# KiCad board badge.kicad_pcb (continued)
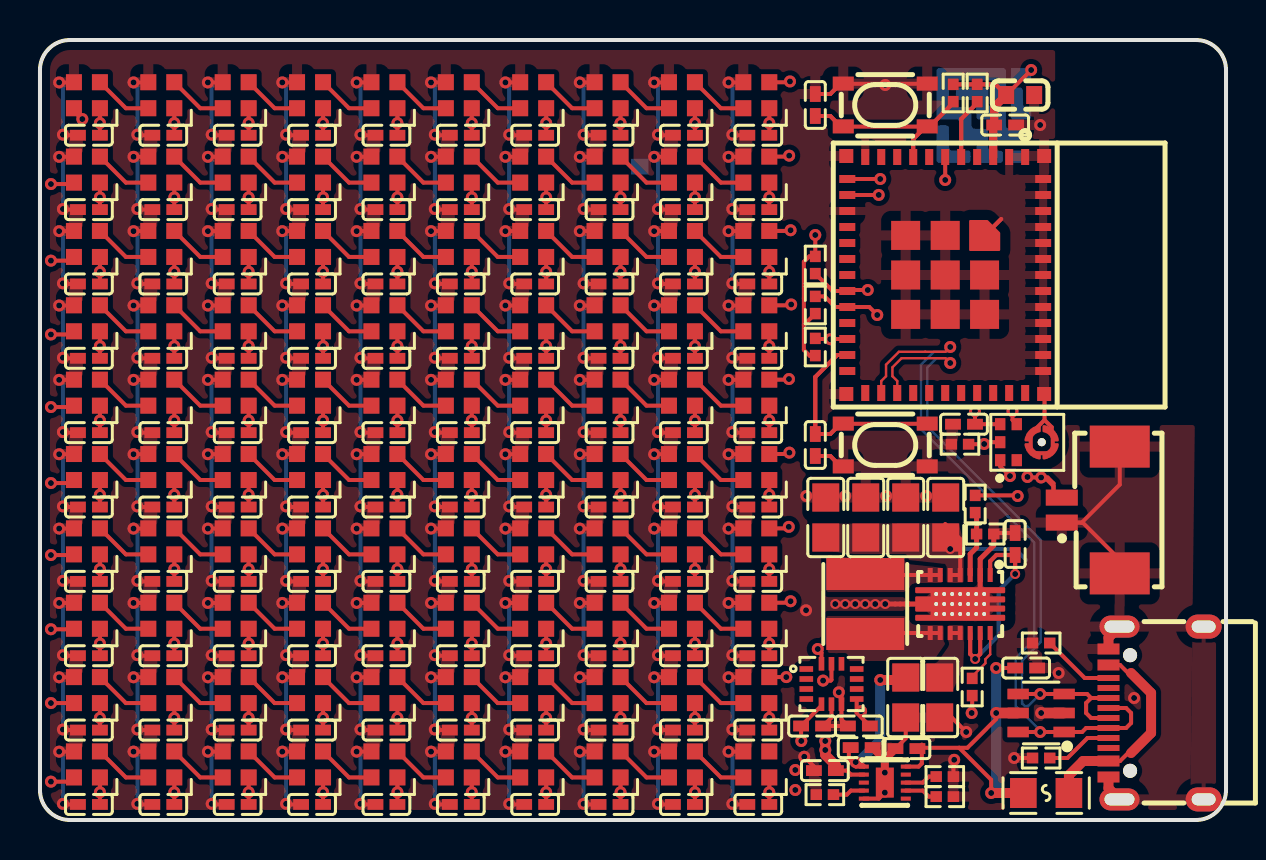
[diagram p0: board, top side]
## Library data of the parts (continued)
SW1 = -: checksum: f91c8e330c7635fcafad75a88e5cc1670f77641273de7d560f53df80be755608; __atopile_lib_fp_hash__: 4f3bed9f-86d6-d999-7cc9-13b6b9c0b95c; LCSC: C139797; Manufacturer: ALPSALPINE; Partnumber: SKRPACE010; atopile_address: microcontroller.boot_switch.package; atopile_subaddresses: [.ato/modules/atopile/espressif-esp32-c3/layouts/esp32_c3_mini_1_driver/esp32_c3_mini_1_driver.kicad_pcb:boot_switch.package]
SW2 = -: checksum: f91c8e330c7635fcafad75a88e5cc1670f77641273de7d560f53df80be755608; __atopile_lib_fp_hash__: 4f3bed9f-86d6-d999-7cc9-13b6b9c0b95c; LCSC: C139797; Manufacturer: ALPSALPINE; Partnumber: SKRPACE010; atopile_address: microcontroller.reset_switch.package; atopile_subaddresses: [.ato/modules/atopile/espressif-esp32-c3/layouts/esp32_c3_mini_1_driver/esp32_c3_mini_1_driver.kicad_pcb:reset_switch.package]
U1 = -: checksum: 9761efe4e06b2668313870b19812f1efc91c26581fe0ba616cf6fdbf0da50003; __atopile_lib_fp_hash__: e6524341-a6a8-10bb-8c80-e61b4c917c5e; LCSC: C967633; Manufacturer: STMicroelectronics; Partnumber: LSM6DS3TR-C; atopile_address: imu.package; atopile_subaddresses: [.ato/modules/atopile/st-lsm6ds3/layouts/default/default.kicad_pcb:package]
U2 = -: Datasheet: https://lcsc.com/datasheet/lcsc_datasheet_2410010330_TI-TPS63020DSJR_C15483.pdf; checksum: 5721d4b5eedbba8b038d960e7ac218e894ce7a20656477d794aee89a78508b49; __atopile_lib_fp_hash__: 7298c08b-0576-5c66-bc65-f356604b5aa5; LCSC: C15483; Manufacturer: Texas Instruments; Partnumber: TPS63020DSJR; atopile_address: buck_boost.package; atopile_subaddresses: [.ato/modules/atopile/ti-tps63020/layouts/default/default.kicad_pcb:package]
U3 = -: checksum: 6e18d4759e70e0652472ffa30dd3a8f71360b9e80cc1aeb83f558e51824a2573; __atopile_lib_fp_hash__: 757c1910-7b5b-773a-1112-4dd27599d2b4; LCSC: C5656610; Manufacturer: TDK InvenSense; Partnumber: ICS-43434; atopile_address: microphone.package; atopile_subaddresses: [.ato/modules/atopile/microphones/layouts/tdk_invensense_ics_43434/tdk_invensense_ics_43434.kicad_pcb:package]
U4 = -: checksum: 4ad8f665c87c48952eb40c1f3553b7c5f0e07c4bf4b859e8729bb151fdabe18d; __atopile_lib_fp_hash__: 648a194f-9866-ab41-b7e8-585c74c26a7d; LCSC: C2838502; Manufacturer: Espressif Systems; Partnumber: ESP32-C3-MINI-1-N4; atopile_address: microcontroller.esp32_c3.package; atopile_subaddresses: [.ato/modules/atopile/espressif-esp32-c3/layouts/esp32_c3_mini_1_driver/esp32_c3_mini_1_driver.kicad_pcb:esp32_c3.package]
U5 = -: checksum: 3bebada01d603daa7993676051afcdc3da5e16ef3e23e506788923436ae642df; __atopile_lib_fp_hash__: 8427001d-b0a4-3a66-e235-a2c6768404e7; LCSC: C19725033; Manufacturer: BQ25185DLHR; Partnumber: BQ25185DLHR; atopile_address: charger.package; atopile_subaddresses: [.ato/modules/atopile/ti-bq25185/layouts/bq25185_driver/bq25185_driver.kicad_pcb:package]
U6 = -: checksum: fe22dee7e12c99f6b2ca5c1bf1a58f1e263a76def5909a036d2d02f103692168; __atopile_lib_fp_hash__: dd17c387-1d6b-9238-1823-5214160d6911; LCSC: C177225; Manufacturer: MOLEX; Partnumber: 532610271; atopile_address: battery.battery.connector; atopile_subaddresses: [.ato/modules/atopile/batteries/layouts/eemb_battery_lp402535_driver/eemb_battery_lp402535_driver.kicad_pcb:connector, .ato/modules/atopile/batteries/layouts/eemb_battery_lp402535_example/eemb_battery_lp402535_example.kicad_pcb:battery.connector]
USB1 = -: checksum: 5d694f4e32c28a41cc00aa96665fa301eded3dc79a48496bdc0d60aad5eed915; __atopile_lib_fp_hash__: 1df3316a-2404-9093-1771-c2e32be2ca71; LCSC: C2765186; Manufacturer: SHOU HAN; Partnumber: TYPE-C 16PIN 2MD(073); atopile_address: usb_c.connector.package; atopile_subaddresses: [.ato/modules/atopile/usb-connectors/layouts/default/default.kicad_pcb:connector.package]

## Footprints (pads in the part's own frame, mm; a bottom-side part is the same pattern mirrored in y, then rotated)
C0402
  rect 0.79x0.54 smd: 1(-0.55,0) 2(0.55,0)
C0603
  rect 0.8x0.9 smd: 1(-0.7,0) 2(0.7,0)
C0805
  rect 1.41x1.35 smd: 1(-1,0) 2(1,0)
CONN-SMD_532610271
  rect 0.8x1.6 smd: 1(0.63,-1.45) 2(-0.62,-1.45)
  rect 2.1x3 smd: 3(3.17,1.45) 4(-3.17,1.45)
F0805
  rect 1.33x1.5 smd: 1(-1.14,0) 2(1.14,0)
IND-SMD_L4.0-W4.0_FNR40XXS
  rect 1.6x3.9 smd: 1(-1.5,0) 2(1.5,0)
KEY-SMD_4P-L4.2-W3.2-P2.20-LS4.6
  rect 1.05x0.7 smd: 1(-2.1,1.07) 2(2.1,1.07) 3(-2.1,-1.07) 4(2.1,-1.07)
LED-SMD_4P-L2.0-W2.0-BR
  rect 0.8x0.8 smd: 1(0.65,-0.65) 2(0.65,0.65) 3(-0.65,0.65) 4(-0.65,-0.65)
LGA-14_L3.0-W2.5-P0.50-TL
  rect 0.68x0.28 smd: 1(-1.26,0.75) 2(-1.26,0.25) 3(-1.26,-0.25) 4(-1.26,-0.75) 8(1.26,-0.75) 9(1.26,-0.25) 10(1.26,0.25) 11(1.26,0.75)
  rect 0.28x0.68 smd: 5(-0.5,-1.01) 6(0,-1.01) 7(0.5,-1.01) 12(0.5,1.01) 13(0,1.01) 14(-0.5,1.01)
MIC-SMD_6P-L3.5-W2.7-P0.90-BL
  round 0.4 hole 0.4: (0.79,0)
  rect 0.52x0.6 smd: 1(-1.29,-0.9) 2(-0.46,-0.9) 4(-0.46,0.9) 5(-1.29,0.9) 6(-1.29,0)
  custom 0.81x0.81 smd: 3(0.28,-0.45) 3(0.33,0.51) 3(1.23,-0.51) 3(1.29,0.45)
R0402
  rect 0.57x0.54 smd: 1(-0.43,0) 2(0.43,0)
SOT-23-6_L2.9-W1.6-P0.95-LS2.8-BL
  rect 0.53x1.07 smd: 1(-0.95,-1.15) 2(0,-1.15) 3(0.95,-1.15) 4(0.95,1.15) 5(0,1.15) 6(-0.95,1.15)
USB-C-SMD_TYPE-C-6PIN-2MD-073
  round 0.7 hole 0.7 unplated: (-2.89,1.3) (2.89,1.3)
  rect 0.55x1.1 smd: 1(-3.2,2.38) 2(-2.4,2.38) 11(2.4,2.38) 12(3.2,2.38)
  rect 0.3x1.1 smd: 3(-1.75,2.38) 4(-1.25,2.38) 5(-0.75,2.38) 6(-0.25,2.38) 7(0.25,2.38) 8(0.75,2.38) 9(1.25,2.38) 10(1.75,2.38)
  oval 1.1x2 hole 0.6x1.5: 13(-4.32,1.83) 14(4.32,1.83)
  oval 1.2x1.8 hole 0.6x1.2: 15(4.32,-2.38) 16(-4.32,-2.38)
VSON-14_L4.0-W3.0-P0.50-BL-EP_TI_DSJ
  rect 0.25x0.7 smd: 1(-1.5,-1.45) 2(-1,-1.45) 3(-0.5,-1.45) 4(0,-1.45) 5(0.5,-1.45) 6(1,-1.45) 7(1.5,-1.45) 8(1.5,1.45) 9(1,1.45) 10(0.5,1.45) 11(0,1.45) 12(-0.5,1.45) 13(-1,1.45) 14(-1.5,1.45)
  round 0.5 hole 0.2: 15(-1.2,0.5) 15(-1.2,0) 15(-1.2,-0.5) 15(-0.8,0.5) 15(-0.8,0) 15(-0.8,-0.5) 15(-0.4,0.5) 15(-0.4,0) 15(-0.4,-0.5) 15(0,0.5) 15(0,0) 15(0,-0.5) 15(0.4,0.5) 15(0.4,0) 15(0.4,-0.5) 15(0.8,0.5) 15(0.8,0) 15(0.8,-0.5) 15(1.2,0.5) 15(1.2,0) 15(1.2,-0.5)
  custom 4.5x1.68 smd: 15(0,0)
WIFIM-SMD_ESP32-C3-MINI-1
  rect 0.8x0.4 smd: 1(-5.9,4) 2(-5.9,3.2) 3(-5.9,2.4) 4(-5.9,1.6) 5(-5.9,0.8) 6(-5.9,0) 7(-5.9,-0.8) 8(-5.9,-1.6) 9(-5.9,-2.4) 10(-5.9,-3.2) 11(-5.9,-4) 25(5.9,-4) 26(5.9,-3.2) 27(5.9,-2.4) 28(5.9,-1.6) 29(5.9,-0.8) 30(5.9,0) 31(5.9,0.8) 32(5.9,1.6) 33(5.9,2.4) 34(5.9,3.2) 35(5.9,4)
  rect 0.4x0.8 smd: 12(-4.8,-4.9) 13(-4,-4.9) 14(-3.2,-4.9) 15(-2.4,-4.9) 16(-1.6,-4.9) 17(-0.8,-4.9) 18(0,-4.9) 19(0.8,-4.9) 20(1.6,-4.9) 21(2.4,-4.9) 22(3.2,-4.9) 23(4,-4.9) 24(4.8,-4.9) 36(4.8,4.9) 37(4,4.9) 38(3.2,4.9) 39(2.4,4.9) 40(1.6,4.9) 41(0.8,4.9) 42(0,4.9) 43(-0.8,4.9) 44(-1.6,4.9) 45(-2.4,4.9) 46(-3.2,4.9) 47(-4,4.9) 48(-4.8,4.9)
  custom 1.55x1.55 smd: 49(-1.98,1.98)
  rect 1.45x1.45 smd: 49(-1.98,0) 49(-1.98,-1.98) 49(0,1.97) 49(0,0) 49(0,-1.98) 49(1.97,1.97) 49(1.97,0) 49(1.97,-1.98)
  rect 0.7x0.7 smd: 50(5.95,4.95) 51(5.95,-4.95) 52(-5.95,-4.95) 53(-5.95,4.95)
WSON-10_L2.2-W2.0-P0.40-BL-EP_TI_DLH0010A
  rect 0.2x0.5 smd: 1(-0.8,-1.05) 2(-0.4,-1.05) 3(0,-1.05) 4(0.4,-1.05) 5(0.8,-1.05) 6(0.8,1.05) 7(0.4,1.05) 8(0,1.05) 9(-0.4,1.05) 10(-0.8,1.05)
  rect 1.5x0.9 smd: 11(0,0)

## Nets
gnd: C1.2 C2.2 C3.2 C4.2 C5.2 C6.2 C7.2 C8.2 C9.2 C10.2 C11.2 C12.2 C13.2 C14.2 C15.2 C16.2 C17.2 C18.2 C19.2 C20.2 C21.2 C22.2 C23.2 C24.2 C25.2 C26.2 C27.2 C28.2 C29.2 C30.2 C31.2 C32.2 C33.2 C34.2 C35.2 C36.2 C37.2 C38.2 C39.2 C40.2 C41.2 C42.2 C43.2 C44.2 C45.2 C46.2 C47.2 C48.2 C49.2 C50.2 C51.2 C52.2 C53.2 C54.2 C55.2 C56.2 C57.2 C58.2 C59.2 C60.2 C61.2 C62.2 C63.2 C64.2 C65.2 C66.2 C67.2 C68.2 C69.2 C70.2 C71.2 C72.2 C73.2 C74.2 C75.2 C76.2 C77.2 C78.2 C79.2 C80.2 C81.2 C82.2 C83.2 C84.2 C85.2 C86.2 C87.2 C88.2 C89.2 C90.2 C91.2 C92.2 C93.2 C94.2 C95.2 C96.2 C97.2 C98.2 C99.2 C100.2 C101.2 C102.2 C103.2 C104.2 C105.2 C106.1 C107.1 C108.2 C109.2 C110.2 C111.2 C112.2 C113.2 C114.2 C115.2 C116.2 C117.2 C118.2 D1.2 LED1.3 LED2.3 LED3.3 LED4.3 LED5.3 LED6.3 LED7.3 LED8.3 LED9.3 LED10.3 LED11.3 LED12.3 LED13.3 LED14.3 LED15.3 LED16.3 LED17.3 LED18.3 LED19.3 LED20.3 LED21.3 LED22.3 LED23.3 LED24.3 LED25.3 LED26.3 LED27.3 LED28.3 LED29.3 LED30.3 LED31.3 LED32.3 LED33.3 LED34.3 LED35.3 LED36.3 LED37.3 LED38.3 LED39.3 LED40.3 LED41.3 LED42.3 LED43.3 LED44.3 LED45.3 LED46.3 LED47.3 LED48.3 LED49.3 LED50.3 LED51.3 LED52.3 LED53.3 LED54.3 LED55.3 LED56.3 LED57.3 LED58.3 LED59.3 LED60.3 LED61.3 LED62.3 LED63.3 LED64.3 LED65.3 LED66.3 LED67.3 LED68.3 LED69.3 LED70.3 LED71.3 LED72.3 LED73.3 LED74.3 LED75.3 LED76.3 LED77.3 LED78.3 LED79.3 LED80.3 LED81.3 LED82.3 LED83.3 LED84.3 LED85.3 LED86.3 LED87.3 LED88.3 LED89.3 LED90.3 LED91.3 LED92.3 LED93.3 LED94.3 LED95.3 LED96.3 LED97.3 LED98.3 LED99.3 LED100.3 R1.2 R4.2 R5.2 R6.2 R9.2 R11.2 R12.2 SW1.1 SW1.2 SW2.1 SW2.2 U1.6 U1.7 U2.2 U2.15 U3.3 U4.1 U4.2 U4.11 U4.14 U4.36 U4.37 U4.38 U4.39 U4.40 U4.41 U4.42 U4.43 U4.44 U4.45 U4.46 U4.47 U4.48 U4.49 U4.50 U4.51 U4.52 U4.53 U5.5 U5.11 U6.1 U6.3 U6.4 USB1.1 USB1.12 USB1.13 USB1.14 USB1.15 USB1.16
_power_in_a-VCC: C117.1 U2.1 U2.12 U2.13
address_bit_0: U1.1
cc[0]-line: R6.1 USB1.4
cc[1]-line: R9.1 USB1.10
CS: U1.12
data_0: U4.21
data_1: R7.1 U4.5
data_3: U4.18
data_out-line: LED100.2
esp32_c3-net-0: U4.24
esp32_c3-net-1: U4.25
esp32_c3-net-2: U4.10
esp32_c3-net-3: U4.28
esp32_c3-net-4: U4.29
esp32_c3-net-5: U4.32
esp32_c3-net-6: U4.33
esp32_c3-net-7: U4.34
esp32_c3-net-8: U4.35
esp32_c3-net-9: U4.4
esp32_c3-net-10: U4.7
esp32_c3-net-11: U4.9
esp32_c3-net-12: U4.15
esp32_c3-net-13: U4.17
footprint-net-0: U1.10
footprint-net-1: U1.11
footprint-net-2: U3.
i2c_scl: R14.1 U1.13 U4.20
i2c_sda: R13.1 U1.14 U4.19
i2s_sck: U3.4 U4.12
i2s_sd: R5.1 U3.6 U4.13
i2s_ws: U3.1 U4.6
ILIM_VSET: R12.1 U5.7
INT1: U1.4
INT2: U1.9
ISET: R4.1 U5.8
L1: L1.1 U2.8 U2.9
L2: L1.2 U2.6 U2.7
led_data: LED1.4 R8.1 U4.22
leds[1]-data_in-DIN-0: LED1.2 LED2.4
leds[1]-data_in-DIN-1: LED11.2 LED12.4
leds[1]-data_in-DIN-2: LED21.2 LED22.4
leds[1]-data_in-DIN-3: LED31.2 LED32.4
leds[1]-data_in-DIN-4: LED41.2 LED42.4
leds[1]-data_in-DIN-5: LED51.2 LED52.4
leds[1]-data_in-DIN-6: LED61.2 LED62.4
leds[1]-data_in-DIN-7: LED71.2 LED72.4
leds[1]-data_in-DIN-8: LED81.2 LED82.4
leds[1]-data_in-DIN-9: LED91.2 LED92.4
leds[2]-data_in-DIN-0: LED2.2 LED3.4
leds[2]-data_in-DIN-1: LED12.2 LED13.4
leds[2]-data_in-DIN-2: LED22.2 LED23.4
leds[2]-data_in-DIN-3: LED32.2 LED33.4
leds[2]-data_in-DIN-4: LED42.2 LED43.4
leds[2]-data_in-DIN-5: LED52.2 LED53.4
leds[2]-data_in-DIN-6: LED62.2 LED63.4
leds[2]-data_in-DIN-7: LED72.2 LED73.4
leds[2]-data_in-DIN-8: LED82.2 LED83.4
leds[2]-data_in-DIN-9: LED92.2 LED93.4
leds[3]-data_in-DIN-0: LED3.2 LED4.4
leds[3]-data_in-DIN-1: LED13.2 LED14.4
leds[3]-data_in-DIN-2: LED23.2 LED24.4
leds[3]-data_in-DIN-3: LED33.2 LED34.4
leds[3]-data_in-DIN-4: LED43.2 LED44.4
leds[3]-data_in-DIN-5: LED53.2 LED54.4
leds[3]-data_in-DIN-6: LED63.2 LED64.4
leds[3]-data_in-DIN-7: LED73.2 LED74.4
leds[3]-data_in-DIN-8: LED83.2 LED84.4
leds[3]-data_in-DIN-9: LED93.2 LED94.4
leds[4]-data_in-DIN-0: LED4.2 LED5.4
leds[4]-data_in-DIN-1: LED14.2 LED15.4
leds[4]-data_in-DIN-2: LED24.2 LED25.4
leds[4]-data_in-DIN-3: LED34.2 LED35.4
leds[4]-data_in-DIN-4: LED44.2 LED45.4
leds[4]-data_in-DIN-5: LED54.2 LED55.4
leds[4]-data_in-DIN-6: LED64.2 LED65.4
leds[4]-data_in-DIN-7: LED74.2 LED75.4
leds[4]-data_in-DIN-8: LED84.2 LED85.4
leds[4]-data_in-DIN-9: LED94.2 LED95.4
leds[5]-data_in-DIN-0: LED5.2 LED6.4
leds[5]-data_in-DIN-1: LED15.2 LED16.4
leds[5]-data_in-DIN-2: LED25.2 LED26.4
leds[5]-data_in-DIN-3: LED35.2 LED36.4
leds[5]-data_in-DIN-4: LED45.2 LED46.4
leds[5]-data_in-DIN-5: LED55.2 LED56.4
leds[5]-data_in-DIN-6: LED65.2 LED66.4
leds[5]-data_in-DIN-7: LED75.2 LED76.4
leds[5]-data_in-DIN-8: LED85.2 LED86.4
leds[5]-data_in-DIN-9: LED95.2 LED96.4
leds[6]-data_in-DIN-0: LED6.2 LED7.4
leds[6]-data_in-DIN-1: LED16.2 LED17.4
leds[6]-data_in-DIN-2: LED26.2 LED27.4
leds[6]-data_in-DIN-3: LED36.2 LED37.4
leds[6]-data_in-DIN-4: LED46.2 LED47.4
leds[6]-data_in-DIN-5: LED56.2 LED57.4
leds[6]-data_in-DIN-6: LED66.2 LED67.4
leds[6]-data_in-DIN-7: LED76.2 LED77.4
leds[6]-data_in-DIN-8: LED86.2 LED87.4
leds[6]-data_in-DIN-9: LED96.2 LED97.4
leds[7]-data_in-DIN-0: LED7.2 LED8.4
leds[7]-data_in-DIN-1: LED17.2 LED18.4
leds[7]-data_in-DIN-2: LED27.2 LED28.4
leds[7]-data_in-DIN-3: LED37.2 LED38.4
leds[7]-data_in-DIN-4: LED47.2 LED48.4
leds[7]-data_in-DIN-5: LED57.2 LED58.4
leds[7]-data_in-DIN-6: LED67.2 LED68.4
leds[7]-data_in-DIN-7: LED77.2 LED78.4
leds[7]-data_in-DIN-8: LED87.2 LED88.4
leds[7]-data_in-DIN-9: LED97.2 LED98.4
leds[8]-data_in-DIN-0: LED8.2 LED9.4
leds[8]-data_in-DIN-1: LED18.2 LED19.4
leds[8]-data_in-DIN-2: LED28.2 LED29.4
leds[8]-data_in-DIN-3: LED38.2 LED39.4
leds[8]-data_in-DIN-4: LED48.2 LED49.4
leds[8]-data_in-DIN-5: LED58.2 LED59.4
leds[8]-data_in-DIN-6: LED68.2 LED69.4
leds[8]-data_in-DIN-7: LED78.2 LED79.4
leds[8]-data_in-DIN-8: LED88.2 LED89.4
leds[8]-data_in-DIN-9: LED98.2 LED99.4
leds[9]-data_in-DIN-0: LED9.2 LED10.4
leds[9]-data_in-DIN-1: LED19.2 LED20.4
leds[9]-data_in-DIN-2: LED29.2 LED30.4
leds[9]-data_in-DIN-3: LED39.2 LED40.4
leds[9]-data_in-DIN-4: LED49.2 LED50.4
leds[9]-data_in-DIN-5: LED59.2 LED60.4
leds[9]-data_in-DIN-6: LED69.2 LED70.4
leds[9]-data_in-DIN-7: LED79.2 LED80.4
leds[9]-data_in-DIN-8: LED89.2 LED90.4
leds[9]-data_in-DIN-9: LED99.2 LED100.4
LR: U3.2
N_TRST: C107.2 R15.2 SW2.3 SW2.4 U4.8
nCE: R11.1 U5.4
output: C106.2 SW1.3 SW1.4 U4.23
PG: R3.1 U2.14
power_3v3: C1.1 C2.1 C5.1 C6.1 C7.1 C8.1 C9.1 C10.1 C11.1 C12.1 C13.1 C14.1 C15.1 C16.1 C17.1 C18.1 C19.1 C20.1 C21.1 C22.1 C23.1 C24.1 C25.1 C26.1 C27.1 C28.1 C29.1 C30.1 C31.1 C32.1 C33.1 C34.1 C35.1 C36.1 C37.1 C38.1 C39.1 C40.1 C41.1 C42.1 C43.1 C44.1 C45.1 C46.1 C47.1 C48.1 C49.1 C50.1 C51.1 C52.1 C53.1 C54.1 C55.1 C56.1 C57.1 C58.1 C59.1 C60.1 C61.1 C62.1 C63.1 C64.1 C65.1 C66.1 C67.1 C68.1 C69.1 C70.1 C71.1 C72.1 C73.1 C74.1 C75.1 C76.1 C77.1 C78.1 C79.1 C80.1 C81.1 C82.1 C83.1 C84.1 C85.1 C86.1 C87.1 C88.1 C89.1 C90.1 C91.1 C92.1 C93.1 C94.1 C95.1 C96.1 C97.1 C98.1 C99.1 C100.1 C101.1 C102.1 C103.1 C104.1 C105.1 C108.1 C109.1 C110.1 C111.1 C112.1 C116.1 LED1.1 LED2.1 LED3.1 LED4.1 LED5.1 LED6.1 LED7.1 LED8.1 LED9.1 LED10.1 LED11.1 LED12.1 LED13.1 LED14.1 LED15.1 LED16.1 LED17.1 LED18.1 LED19.1 LED20.1 LED21.1 LED22.1 LED23.1 LED24.1 LED25.1 LED26.1 LED27.1 LED28.1 LED29.1 LED30.1 LED31.1 LED32.1 LED33.1 LED34.1 LED35.1 LED36.1 LED37.1 LED38.1 LED39.1 LED40.1 LED41.1 LED42.1 LED43.1 LED44.1 LED45.1 LED46.1 LED47.1 LED48.1 LED49.1 LED50.1 LED51.1 LED52.1 LED53.1 LED54.1 LED55.1 LED56.1 LED57.1 LED58.1 LED59.1 LED60.1 LED61.1 LED62.1 LED63.1 LED64.1 LED65.1 LED66.1 LED67.1 LED68.1 LED69.1 LED70.1 LED71.1 LED72.1 LED73.1 LED74.1 LED75.1 LED76.1 LED77.1 LED78.1 LED79.1 LED80.1 LED81.1 LED82.1 LED83.1 LED84.1 LED85.1 LED86.1 LED87.1 LED88.1 LED89.1 LED90.1 LED91.1 LED92.1 LED93.1 LED94.1 LED95.1 LED96.1 LED97.1 LED98.1 LED99.1 LED100.1 R2.1 R3.2 R7.2 R8.2 R13.2 R14.2 R15.1 U1.5 U1.8 U2.4 U2.5 U3.5 U4.3
power_batt: C113.1 U5.2 U6.2
power_sys: C3.1 C4.1 C114.1 U2.10 U2.11 U5.1
power_vbus-VCC: F1.1 USB1.2 USB1.11
rows[1]-data_in-line: LED10.2 LED11.4
rows[2]-data_in-line: LED20.2 LED21.4
rows[3]-data_in-line: LED30.2 LED31.4
rows[4]-data_in-line: LED40.2 LED41.4
rows[5]-data_in-line: LED50.2 LED51.4
rows[6]-data_in-line: LED60.2 LED61.4
rows[7]-data_in-line: LED70.2 LED71.4
rows[8]-data_in-line: LED80.2 LED81.4
rows[9]-data_in-line: LED90.2 LED91.4
RX: U4.30
sbu[0]-line: USB1.9
sbu[1]-line: USB1.3
SCLK: U4.16
SCx: U1.3
SDx: U1.2
STAT1: U5.9
STAT2: U5.3
TS_MR: U5.6
TX: U4.31
usb_N: D1.1 D1.6 U4.26 USB1.5 USB1.7
usb_P: D1.3 D1.4 U4.27 USB1.6 USB1.8
usb_power: C115.1 C118.1 D1.5 F1.2 U5.10
VDIV_OUTPUT: R1.1 R2.2 U2.3

## Via types
v1: diameter 0.6, hole 0.3, Top to Bottom, 367 vias
v2: diameter 0.5, hole 0.3, Top to Bottom, 11 vias

## Routing (per net, layer and track width the routed paths; a pad name or vN(x,y) marks a point on that pad's centre or on a via; arc(x,y) is an arc through that point)
gnd: length 478.5
  Top w0.2: v1(19.75,0.81) 19.78,0.78 C100.2 ; v1(0.96,7.14) 1.69,7.14 LED81.3 ; C26.2 4.9,26.8 v1(4.87,26.83) ; LED38.3 27.74,25.72 v1(27.01,25.72) ; C68.2 12.34,11.93 v1(12.31,11.96) ; C86.2 4.9,4.5 v1(4.87,4.53) ; LED93.3 9.13,3.42 v1(8.4,3.42) ; C29.2 16.06,26.8 v1(16.03,26.83) ; v1(23.48,19.4) 23.51,19.37 C51.2 ; v1(12.31,8.24) 12.34,8.21 C78.2 ; C88.2 12.34,4.5 v1(12.31,4.53) ; v1(19.75,19.4) 19.78,19.37 C50.2 ; v1(8.59,19.4) 8.62,19.37 C47.2 ; v1(4.87,19.4) 4.9,19.37 C46.2 ; v1(34.64,4.53) 34.67,4.5 C94.2 ; LED21.3 1.69,29.44 v1(0.96,29.44) ; v1(1.15,4.53) 1.18,4.5 C85.2 ; LED75.3 16.57,10.85 v1(15.84,10.85) ; U6.3 54.02,13.02 52.17,14.87 U6.1 52.12,14.87 54.02,16.77 U6.4 ; LED66.3 20.29,14.57 v1(19.56,14.57) ; LED89.3 31.46,7.14 v1(30.73,7.14) ; C81.2 23.51,8.21 v1(23.48,8.24) ; v1(34.64,8.24) 34.67,8.21 C84.2 ; C55.2 1.18,15.65 v1(1.15,15.68) ; C22.2 27.23,30.52 v1(27.2,30.55) ; LED13.3 9.13,33.16 v1(8.4,33.16) ; v1(4.68,29.44) 5.41,29.44 LED22.3 ; LED50.3 35.18,22.01 v1(34.45,22.01) ; LED48.3 27.74,22.01 v1(27.01,22.01) ; C36.2 4.9,23.08 v1(4.87,23.11) ; C66.2 4.9,11.93 v1(4.87,11.96) ; C27.2 8.62,26.8 v1(8.59,26.83) ; C59.2 16.06,15.65 v1(16.03,15.68) ; C93.2 30.95,4.5 v1(30.92,4.53) ; C9.2 16.06,34.24 v1(16.03,34.27) ; v1(4.68,10.85) 5.41,10.85 LED72.3 ; v1(8.59,15.68) 8.62,15.65 C57.2 ; C53.2 30.95,19.37 v1(30.92,19.4) ; v1(8.59,30.55) 8.62,30.52 C17.2 ; v1(23.48,11.96) 23.51,11.93 C71.2 ; LED73.3 9.13,10.85 v1(8.4,10.85) ; LED43.3 9.13,22.01 v1(8.4,22.01) ; C113.2 38.72,2.68 v1(38.24,3.16) ; C96.2 4.9,0.78 v1(4.87,0.81) ; LED70.3 35.18,14.57 v1(34.45,14.57) ; v1(19.75,8.24) 19.78,8.21 C80.2 ; v1(19.75,34.27) 19.78,34.24 C10.2 ; v1(1.15,34.27) 1.18,34.24 C5.2 ; v1(1.15,23.11) 1.18,23.08 C35.2 ; v1(19.75,26.83) 19.78,26.8 C30.2 ; v1(34.64,15.68) 34.67,15.65 C64.2 ; 50.26,20 50.62,19.64 U3.3 50.67,19.29 50.67,18.49 U3.3 50.52,18.34 49.71,18.34 U3.3 49.57,18.48 49.57,19.31 U3.3 50.26,20 ; 50.26,20 50.26,21.29 ; C20.2 19.78,30.52 v1(19.75,30.55) ; LED23.3 9.13,29.44 v1(8.4,29.44) ; LED64.3 12.85,14.57 v1(12.12,14.57) ; LED97.3 24.02,3.42 v1(23.29,3.42) ; LED36.3 20.29,25.72 v1(19.56,25.72) ; C14.2 34.67,34.24 v1(34.64,34.27) ; C34.2 34.67,26.8 v1(34.64,26.83) ; LED77.3 24.02,10.85 v1(23.29,10.85) ; 39.54,18.2 C106.1 39.54,18.2 ; 39.54,18.2 40.06,17.68 ; 39.54,18.2 40.06,17.68 ; LED91.3 1.69,3.42 v1(0.96,3.42) ; LED54.3 12.85,18.29 v1(12.12,18.29) ; v1(19.56,22.01) 20.29,22.01 LED46.3 ; v1(34.45,18.29) 35.18,18.29 LED60.3 ; v1(4.68,14.57) 5.41,14.57 LED62.3 ; C83.2 30.95,8.21 v1(30.92,8.24) ; LED79.3 31.46,10.85 v1(30.73,10.85) ; LED11.3 1.69,33.16 v1(0.96,33.16) ; LED14.3 12.85,33.16 v1(12.12,33.16) ; LED39.3 31.46,25.72 v1(30.73,25.72) ; v1(27.01,3.42) 27.74,3.42 LED98.3 ; v1(27.2,4.53) 27.23,4.5 C92.2 ; v1(27.2,19.4) 27.23,19.37 C52.2 ; v1(12.31,34.27) 12.34,34.24 C8.2 ; C38.2 12.34,23.08 v1(12.31,23.11) ; LED100.3 35.18,3.42 v1(34.45,3.42) ; LED80.3 35.18,10.85 v1(34.45,10.85) ; v1(34.45,7.14) 35.18,7.14 LED90.3 ; v1(34.45,36.88) 35.18,36.88 LED10.3 ; v1(8.59,0.81) 8.62,0.78 C97.2 ; C37.2 8.62,23.08 v1(8.59,23.11) ; v1(34.45,29.44) 35.18,29.44 LED30.3 ; C74.2 34.67,11.93 v1(34.64,11.96) ; v1(12.12,36.88) 12.85,36.88 LED4.3 ; v1(27.2,15.68) 27.23,15.65 C62.2 ; v1(16.03,0.81) 16.06,0.78 C99.2 ; 40.06,36.82 39.54,36.3 ; 40.06,36.82 SW2.1 40.06,36.82 ; 40.06,36.82 39.54,36.3 ; 39.54,36.3 C107.1 39.54,36.3 ; v1(12.31,19.4) 12.34,19.37 C48.2 ; C4.2 43.32,4.08 C115.2 ; LED63.3 9.13,14.57 v1(8.4,14.57) ; v1(0.96,25.72) 1.69,25.72 LED31.3 ; v1(30.92,0.81) 30.95,0.78 C103.2 ; v1(19.56,33.16) 20.29,33.16 LED16.3 ; v1(16.03,8.24) 16.06,8.21 C79.2 ; v1(12.12,22.01) 12.85,22.01 LED44.3 ; LED57.3 24.02,18.29 v1(23.29,18.29) ; LED5.3 16.57,36.88 v1(15.84,36.88) ; C28.2 12.34,26.8 v1(12.31,26.83) ; v1(12.12,10.85) 12.85,10.85 LED74.3 ; v1(12.12,3.42) 12.85,3.42 LED94.3 ; v1(19.56,36.88) 20.29,36.88 LED6.3 ; LED83.3 9.13,7.14 v1(8.4,7.14) ; v1(0.96,18.29) 1.69,18.29 LED51.3 ; LED29.3 31.46,29.44 v1(30.73,29.44) ; C24.2 34.67,30.52 v1(34.64,30.55) ; LED7.3 24.02,36.88 v1(23.29,36.88) ; LED34.3 12.85,25.72 v1(12.12,25.72) ; v1(30.73,22.01) 31.46,22.01 LED49.3 ; v1(4.87,8.24) 4.9,8.21 C76.2 ; v1(0.96,10.85) 1.69,10.85 LED71.3 ; C31.2 23.51,26.8 v1(23.48,26.83) ; LED32.3 5.41,25.72 v1(4.68,25.72) ; C75.2 1.18,8.21 v1(1.15,8.24) ; C40.2 19.78,23.08 v1(19.75,23.11) ; v1(27.01,29.44) 27.74,29.44 LED28.3 ; v1(23.29,29.44) 24.02,29.44 LED27.3 ; LED59.3 31.46,18.29 v1(30.73,18.29) ; v1(4.68,22.01) 5.41,22.01 LED42.3 ; LED87.3 24.02,7.14 v1(23.29,7.14) ; v1(23.29,22.01) 24.02,22.01 LED47.3 ; v1(8.59,34.27) 8.62,34.24 C7.2 ; v1(30.73,33.16) 31.46,33.16 LED19.3 ; LED41.3 1.69,22.01 v1(0.96,22.01) ; LED40.3 35.18,25.72 v1(34.45,25.72) ; C43.2 30.95,23.08 v1(30.92,23.11) ; v1(8.59,11.96) 8.62,11.93 C67.2 ; v1(8.4,18.29) 9.13,18.29 LED53.3 ; R6.2 v1(48.74,3.1) ; v1(12.12,29.44) 12.85,29.44 LED24.3 ; v1(15.84,29.44) 16.57,29.44 LED25.3 ; v1(30.92,26.83) 30.95,26.8 C33.2 ; LED52.3 5.41,18.29 v1(4.68,18.29) ; v1(12.31,0.81) 12.34,0.78 C98.2 ; v1(4.68,33.16) 5.41,33.16 LED12.3 ; v1(15.84,3.42) 16.57,3.42 LED95.3 ; C15.2 1.18,30.52 v1(1.15,30.55) ; v1(16.03,30.55) 16.06,30.52 C19.2 ; v1(19.56,18.29) 20.29,18.29 LED56.3 ; C95.2 1.18,0.78 v1(1.15,0.81) ; v1(0.96,14.57) 1.69,14.57 LED61.3 ; v1(15.84,18.29) 16.57,18.29 LED55.3 ; v1(8.4,36.88) 9.13,36.88 LED3.3 ; C73.2 30.95,11.93 v1(30.92,11.96) ; v1(19.56,29.44) 20.29,29.44 LED26.3 ; v1(23.48,15.68) 23.51,15.65 C61.2 ; C42.2 27.23,23.08 v1(27.2,23.11) ; v1(30.73,3.42) 31.46,3.42 LED99.3 ; LED58.3 27.74,18.29 v1(27.01,18.29) ; 40.06,17.68 SW1.2 40.06,17.68 ; v1(8.59,4.53) 8.62,4.5 C87.2 ; v1(27.2,0.81) 27.23,0.78 C102.2 ; v1(30.92,34.27) 30.95,34.24 C13.2 ; v1(16.03,4.53) 16.06,4.5 C89.2 ; LED2.3 5.41,36.88 v1(4.68,36.88) ; v1(4.68,3.42) 5.41,3.42 LED92.3 ; v1(27.2,26.83) 27.23,26.8 C32.2 ; LED96.3 20.29,3.42 v1(19.56,3.42) ; C58.2 12.34,15.65 v1(12.31,15.68) ; v1(45.74,3.01) 45.7,2.97 R4.2 ; C90.2 19.78,4.5 v1(19.75,4.53) ; v1(27.2,8.24) 27.23,8.21 C82.2 ; C91.2 23.51,4.5 v1(23.48,4.53) ; v1(23.48,0.81) 23.51,0.78 C101.2 ; v1(30.92,15.68) 30.95,15.65 C63.2 ; C44.2 34.67,23.08 v1(34.64,23.11) ; C11.2 23.51,34.24 v1(23.48,34.27) ; C18.2 12.34,30.52 v1(12.31,30.55) ; v1(16.03,19.4) 16.06,19.37 C49.2 ; v1(15.84,33.16) 16.57,33.16 LED15.3 ; C12.2 27.23,34.24 v1(27.2,34.27) ; U1.6 39.6,5.12 C2.2 C1.2 40.1,5.02 U1.7 40.1,6.26 v1(39.97,6.39) ; C21.2 23.51,30.52 v1(23.48,30.55) ; v1(4.87,34.27) 4.9,34.24 C6.2 ; LED20.3 35.18,33.16 v1(34.45,33.16) ; v1(27.2,11.96) 27.23,11.93 C72.2 ; LED84.3 12.85,7.14 v1(12.12,7.14) ; LED18.3 27.74,33.16 v1(27.01,33.16) ; C69.2 16.06,11.93 v1(16.03,11.96) ; LED68.3 27.74,14.57 v1(27.01,14.57) ; v1(30.73,36.88) 31.46,36.88 LED9.3 ; v1(8.59,8.24) 8.62,8.21 C77.2 ; C54.2 34.67,19.37 v1(34.64,19.4) ; v1(8.4,25.72) 9.13,25.72 LED33.3 ; C39.2 16.06,23.08 v1(16.03,23.11) ; v1(23.48,23.11) 23.51,23.08 C41.2 ; C25.2 1.18,26.8 v1(1.15,26.83) ; LED37.3 24.02,25.72 v1(23.29,25.72) ; LED78.3 27.74,10.85 v1(27.01,10.85) ; C23.2 30.95,30.52 v1(30.92,30.55) ; C3.2 45.62,5.12 v1(46.34,4.4) ; v1(15.84,25.72) 16.57,25.72 LED35.3 ; C16.2 4.9,30.52 v1(4.87,30.55) ; v1(15.84,22.01) 16.57,22.01 LED45.3 ; LED17.3 24.02,33.16 v1(23.29,33.16) ; LED69.3 31.46,14.57 v1(30.73,14.57) ; LED65.3 16.57,14.57 v1(15.84,14.57) ; U5.5 41.97,1.07 v2(42.27,1.37) ; v1(34.64,0.81) 34.67,0.78 C104.2 ; v1(19.56,7.14) 20.29,7.14 LED86.3 ; LED8.3 27.74,36.88 v1(27.01,36.88) ; v1(0.96,36.88) 1.69,36.88 LED1.3 ; v1(15.84,7.14) 16.57,7.14 LED85.3 ; v1(23.29,14.57) 24.02,14.57 LED67.3 ; v1(27.01,7.14) 27.74,7.14 LED88.3 ; C65.2 1.18,11.93 v1(1.15,11.96) ; C60.2 19.78,15.65 v1(19.75,15.68) ; C56.2 4.9,15.65 v1(4.87,15.68) ; C45.2 1.18,19.37 v1(1.15,19.4) ; C70.2 19.78,11.93 v1(19.75,11.96) ; 40.21,36.81 44.41,36.81 ; v1(4.68,7.14) 5.41,7.14 LED82.3 ; LED76.3 20.29,10.85 v1(19.56,10.85) ; 45.81,1.28 R12.2 ; 42.27,3.04 42.27,3.01 ; U4.49 48.09,30.05 U4.49
  Top w0.21: C117.2 47.77,14.35 R1.2
  Top w0.25: R1.2 47.72,13.73 47.04,13.05 U2.2 47.04,10.8 U2.15 v2(42.29,10.8) v2(41.79,10.8) v2(41.29,10.8) v2(40.79,10.8) v2(40.29,10.8) v2(39.79,10.8)
  Top w0.4: v2(42.27,2.37) 42.27,3.01 C114.2 ; C115.2 42.27,3.04
  Top w0.5: USB1.14 53.46,9.12 USB1.12 ; USB1.13 53.46,1.58 USB1.1
  Top w0.53: v1(50.09,5.35) D1.2
  Bottom w0.2: v1(12.31,23.11) 12.31,25.53 v1(12.12,25.72) ; v1(30.92,4.53) 30.92,6.95 v1(30.73,7.14) ; v1(27.2,4.53) 27.2,6.95 v1(27.01,7.14) ; v1(23.48,15.68) 23.48,18.1 v1(23.29,18.29) ; v1(8.4,10.85) 8.59,10.66 v1(8.59,8.24) ; v1(27.2,30.55) 27.2,32.97 v1(27.01,33.16) ; v1(8.59,19.4) 8.59,21.82 v1(8.4,22.01) ; v1(16.03,26.83) 16.03,29.25 v1(15.84,29.44) ; v1(30.92,26.83) 30.92,29.25 v1(30.73,29.44) ; v1(23.29,14.57) 23.48,14.38 v1(23.48,11.96) ; v1(8.59,11.96) 8.59,14.38 v1(8.4,14.57) ; v1(19.75,30.55) 19.75,32.97 v1(19.56,33.16) ; v1(4.87,34.27) 4.87,36.69 v1(4.68,36.88) ; v1(19.56,22.01) 19.75,21.82 v1(19.75,19.4) ; v1(23.29,33.16) 23.48,32.97 v1(23.48,30.55) ; v1(30.73,18.29) 30.92,18.1 v1(30.92,15.68) ; v1(8.59,34.27) 8.59,36.69 v1(8.4,36.88) ; v1(1.15,19.4) 1.15,21.82 v1(0.96,22.01) ; v1(1.15,15.68) 1.15,18.1 v1(0.96,18.29) ; v1(34.64,4.53) 34.64,6.95 v1(34.45,7.14) ; v1(23.29,7.14) 23.48,6.95 v1(23.48,4.53) ; v1(1.15,11.96) 1.15,14.38 v1(0.96,14.57) ; v1(34.45,3.42) 34.64,3.23 v1(34.64,0.81) ; v1(12.12,36.88) 12.31,36.69 v1(12.31,34.27) ; v1(16.03,30.55) 16.03,32.97 v1(15.84,33.16) ; v1(34.45,10.85) 34.64,10.66 v1(34.64,8.24) ; v1(19.56,29.44) 19.75,29.25 v1(19.75,26.83) ; v1(4.68,29.44) 4.87,29.25 v1(4.87,26.83) ; v1(8.59,26.83) 8.59,29.25 v1(8.4,29.44) ; v1(8.4,18.29) 8.59,18.1 v1(8.59,15.68) ; v1(12.12,29.44) 12.31,29.25 v1(12.31,26.83) ; v1(19.56,10.85) 19.75,10.66 v1(19.75,8.24) ; v1(4.87,0.81) 4.87,3.23 v1(4.68,3.42) ; v1(27.2,26.83) 27.2,29.25 v1(27.01,29.44) ; v1(12.31,30.55) 12.31,32.97 v1(12.12,33.16) ; v1(27.2,23.11) 27.2,25.53 v1(27.01,25.72) ; v1(19.56,14.57) 19.75,14.38 v1(19.75,11.96) ; v1(12.12,10.85) 12.31,10.66 v1(12.31,8.24) ; v1(0.96,3.42) 1.15,3.23 v1(1.15,0.81) ; v1(0.96,7.14) 1.15,6.95 v1(1.15,4.53) ; v1(27.01,36.88) 27.2,36.69 v1(27.2,34.27) ; v1(27.2,11.96) 27.2,14.38 v1(27.01,14.57) ; v1(16.03,8.24) 16.03,10.66 v1(15.84,10.85) ; v1(34.64,34.27) 34.64,36.69 v1(34.45,36.88) ; v1(4.68,22.01) 4.87,21.82 v1(4.87,19.4) ; v1(1.15,34.27) 1.15,36.69 v1(0.96,36.88) ; v1(15.84,14.57) 16.03,14.38 v1(16.03,11.96) ; v1(8.59,4.53) 8.59,6.95 v1(8.4,7.14) ; v1(15.84,22.01) 16.03,21.82 v1(16.03,19.4) ; v1(27.2,19.4) 27.2,21.82 v1(27.01,22.01) ; v1(27.01,10.85) 27.2,10.66 v1(27.2,8.24) ; v1(34.64,19.4) 34.64,21.82 v1(34.45,22.01) ; v1(4.87,15.68) 4.87,18.1 v1(4.68,18.29) ; v1(30.73,10.85) 30.92,10.66 v1(30.92,8.24) ; v1(15.84,36.88) 16.03,36.69 v1(16.03,34.27) ; v1(12.12,3.42) 12.31,3.23 v1(12.31,0.81) ; v1(34.64,11.96) 34.64,14.38 v1(34.45,14.57) ; v1(30.92,0.81) 30.92,3.23 v1(30.73,3.42) ; v1(27.01,3.42) 27.2,3.23 v1(27.2,0.81) ; v1(23.29,22.01) 23.48,21.82 v1(23.48,19.4) ; v1(0.96,29.44) 1.15,29.25 v1(1.15,26.83) ; v1(8.59,0.81) 8.59,3.23 v1(8.4,3.42) ; v1(4.68,10.85) 4.87,10.66 v1(4.87,8.24) ; v1(4.87,4.53) 4.87,6.95 v1(4.68,7.14) ; v1(30.92,19.4) 30.92,21.82 v1(30.73,22.01) ; v1(34.45,18.29) 34.64,18.1 v1(34.64,15.68) ; v1(23.29,10.85) 23.48,10.66 v1(23.48,8.24) ; v1(23.29,3.42) 23.48,3.23 v1(23.48,0.81) ; v1(12.31,4.53) 12.31,6.95 v1(12.12,7.14) ; v1(19.75,34.27) 19.75,36.69 v1(19.56,36.88) ; v1(23.48,23.11) 23.48,25.53 v1(23.29,25.72) ; v1(4.68,25.72) 4.87,25.53 v1(4.87,23.11) ; v1(19.56,25.72) 19.75,25.53 v1(19.75,23.11) ; v1(12.12,14.57) 12.31,14.38 v1(12.31,11.96) ; v1(8.4,33.16) 8.59,32.97 v1(8.59,30.55) ; v1(30.73,36.88) 30.92,36.69 v1(30.92,34.27) ; v1(8.59,23.11) 8.59,25.53 v1(8.4,25.72) ; v1(19.75,4.53) 19.75,6.95 v1(19.56,7.14) ; v1(16.03,23.11) 16.03,25.53 v1(15.84,25.72) ; v1(12.12,22.01) 12.31,21.82 v1(12.31,19.4) ; v1(16.03,15.68) 16.03,18.1 v1(15.84,18.29) ; v1(0.96,25.72) 1.15,25.53 v1(1.15,23.11) ; v1(27.01,18.29) 27.2,18.1 v1(27.2,15.68) ; v1(30.92,30.55) 30.92,32.97 v1(30.73,33.16) ; v1(34.45,33.16) 34.64,32.97 v1(34.64,30.55) ; v1(15.84,7.14) 16.03,6.95 v1(16.03,4.53) ; v1(16.03,0.81) 16.03,3.23 v1(15.84,3.42) ; v1(4.68,14.57) 4.87,14.38 v1(4.87,11.96) ; v1(23.48,34.27) 23.48,36.69 v1(23.29,36.88) ; v1(4.87,30.55) 4.87,32.97 v1(4.68,33.16) ; v1(34.45,25.72) 34.64,25.53 v1(34.64,23.11) ; v1(1.15,30.55) 1.15,32.97 v1(0.96,33.16) ; v1(34.45,29.44) 34.64,29.25 v1(34.64,26.83) ; v1(23.48,26.83) 23.48,29.25 v1(23.29,29.44) ; v1(0.96,10.85) 1.15,10.66 v1(1.15,8.24) ; v1(30.92,23.11) 30.92,25.53 v1(30.73,25.72) ; v1(30.73,14.57) 30.92,14.38 v1(30.92,11.96) ; v1(19.56,3.42) 19.75,3.23 v1(19.75,0.81) ; v1(12.12,18.29) 12.31,18.1 v1(12.31,15.68) ; v1(19.75,15.68) 19.75,18.1 v1(19.56,18.29)
  vias: v1(38.34,16.2) v1(38.33,10.49) v1(40.29,16.2) v1(42.29,36.75) v1(42.34,16.2) v1(44.34,16.2) v1(50.04,34.75) v1(50.97,7.35) v1(54.74,6.1)
